# Altium PCB PCB3.PcbDoc (part 6 of 9) (continued)
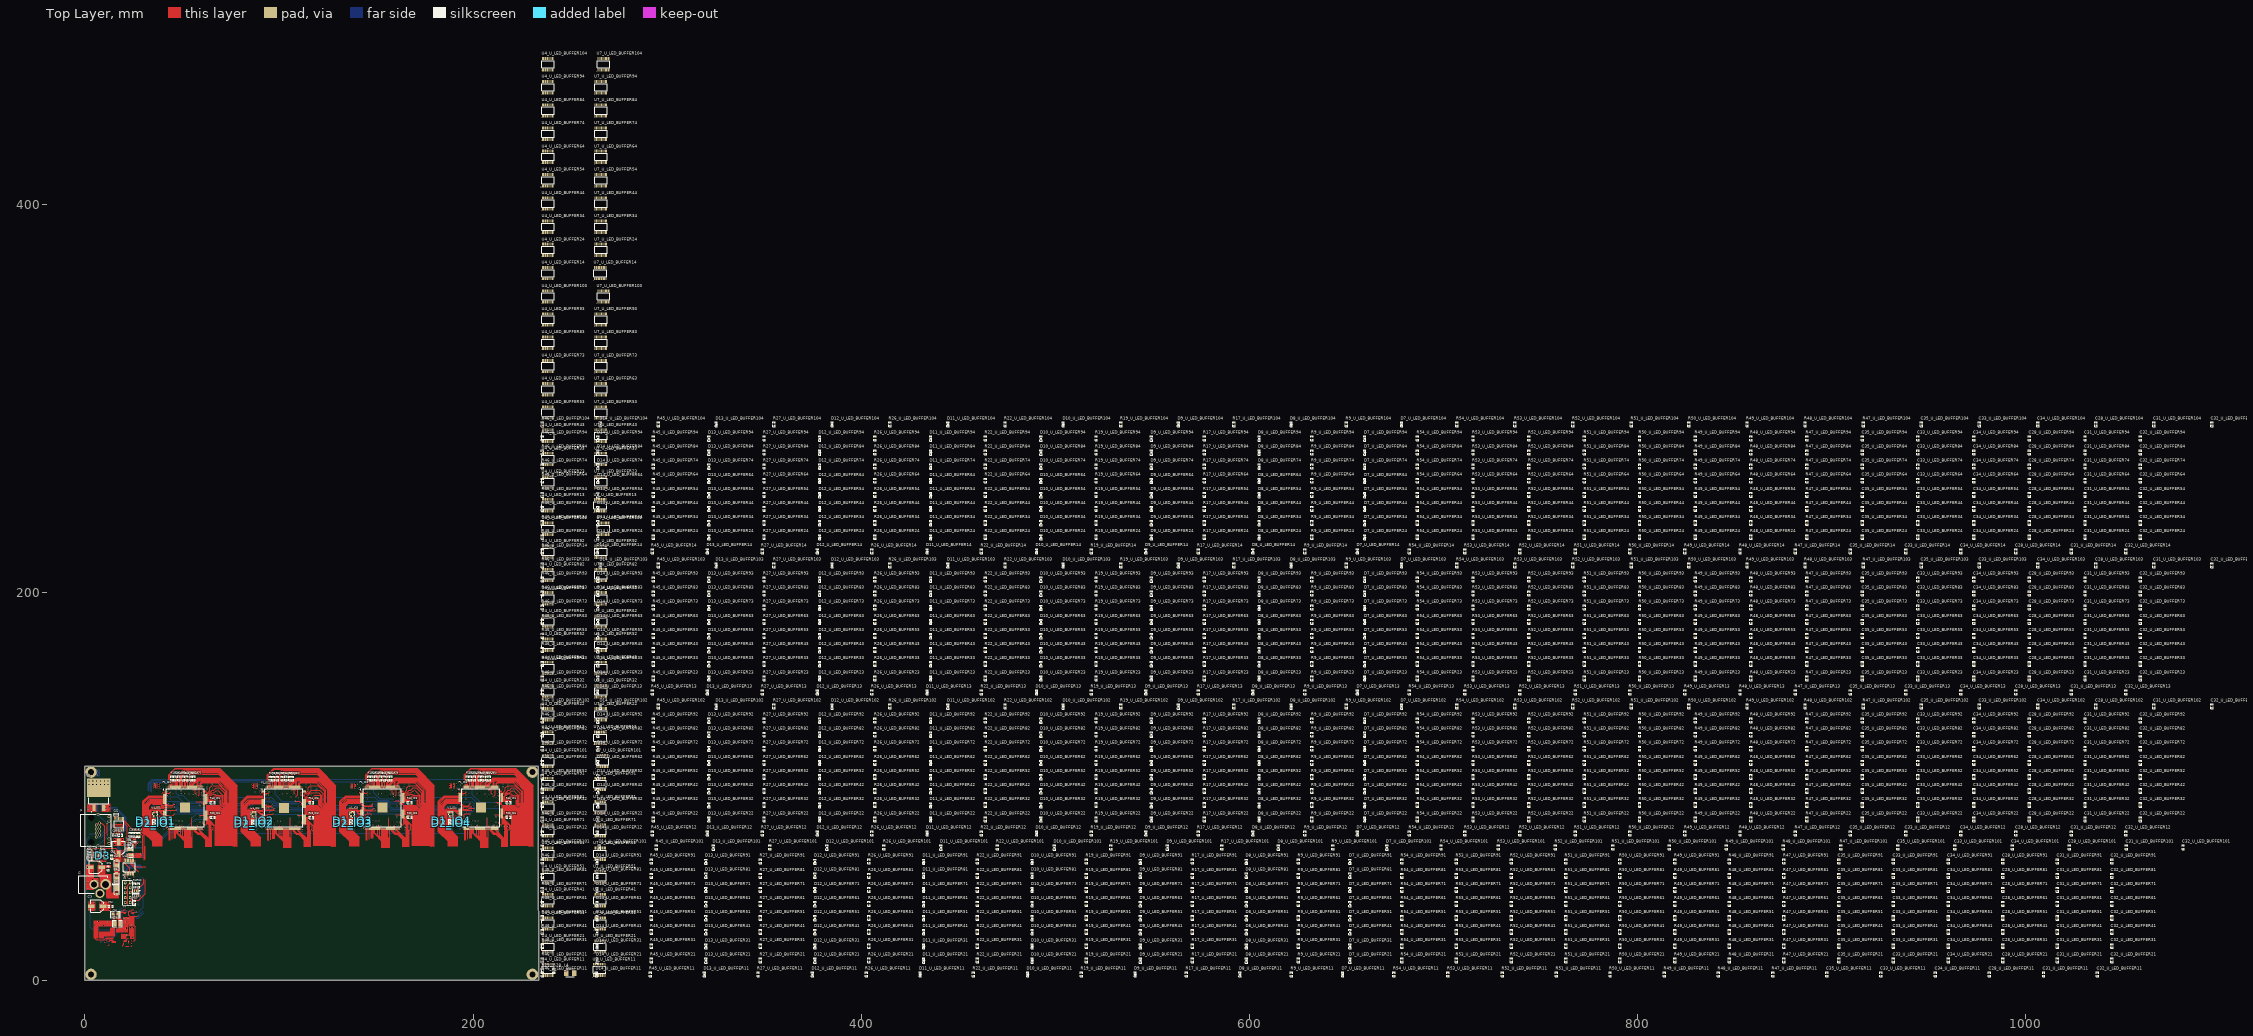
[diagram p0: Top Layer view]
## Nets (pads, with @x,y where several pads share a name; then routed paths per layer and width w, separated by ;. In a path a pad name is that pad's centre, name@x,y a point inside that pad or via, vN(x,y) a via of type N, cw(c..) or ccw(c..) an arc to the next point about the centre after c; other vN are vias at no path point) (continued)
  Top Layer w0.178: P1_IO3.76@163.969,81.791 164.95,81.791 166.305,80.435 166.305,73.483 166.305,69.036
GPIO_66_IO4: P1_IO4.76 R49_U_LED_BUFFER94.2 | length 14.3
  Top Layer w0.178: P1_IO4.76@214.845,81.795 215.826,81.795 217.182,80.439 217.182,73.487 217.182,69.04
GPIO_67_IO1: P1_IO1.70 R50_U_LED_BUFFER91.2 | length 11
  Top Layer w0.178: P1_IO1.70@59.432,78.281 59.432,77.277 63.689,73.02 63.689,69.014
GPIO_67_IO2: P1_IO2.70 R50_U_LED_BUFFER92.2 | length 11
  Top Layer w0.178: P1_IO2.70@110.26,78.215 110.26,77.211 114.517,72.954 114.517,68.948
GPIO_67_IO3: P1_IO3.70 R50_U_LED_BUFFER93.2 | length 11
  Top Layer w0.178: P1_IO3.70@160.981,78.303 160.981,77.299 165.239,73.041 165.239,69.036
GPIO_67_IO4: P1_IO4.70 R50_U_LED_BUFFER94.2 | length 11
  Top Layer w0.178: P1_IO4.70@211.857,78.307 211.857,77.302 216.115,73.045 216.115,69.04
GPIO_68_IO1: P1_IO1.74 R51_U_LED_BUFFER91.2 | length 13
  Top Layer w0.178: P1_IO1.74@62.42,80.769 63.323,80.769 64.045,80.047 64.045,73.167 64.045,69.014
GPIO_68_IO2: P1_IO2.74 R51_U_LED_BUFFER92.2 | length 13
  Top Layer w0.178: P1_IO2.74@113.248,80.703 114.151,80.703 114.873,79.981 114.873,73.101 114.873,68.948
GPIO_68_IO3: P1_IO3.74 R51_U_LED_BUFFER93.2 | length 13
  Top Layer w0.178: P1_IO3.74@163.969,80.791 164.872,80.791 165.594,80.068 165.594,73.188 165.594,69.036
GPIO_68_IO4: P1_IO4.74 R51_U_LED_BUFFER94.2 | length 13
  Top Layer w0.178: P1_IO4.74@214.845,80.795 215.748,80.795 216.47,80.072 216.47,73.192 216.47,69.04
GPIO_69_IO1: P1_IO1.75 R52_U_LED_BUFFER91.2 | length 13.6
  Top Layer w0.178: P1_IO1.75@62.42,81.269 62.481,81.208 63.387,81.208 64.401,80.194 64.401,73.314 64.401,69.014
GPIO_69_IO2: P1_IO2.75 R52_U_LED_BUFFER92.2 | length 13.6
  Top Layer w0.178: P1_IO2.75@113.248,81.203 113.309,81.142 114.215,81.142 115.229,80.128 115.229,73.248 115.229,68.948
GPIO_69_IO3: P1_IO3.75 R52_U_LED_BUFFER93.2 | length 13.6
  Top Layer w0.178: P1_IO3.75@163.969,81.291 164.03,81.23 164.936,81.23 165.95,80.216 165.95,73.336 165.95,69.036
GPIO_69_IO4: P1_IO4.75 R52_U_LED_BUFFER94.2 | length 13.6
  Top Layer w0.178: P1_IO4.75@214.845,81.295 214.907,81.233 215.812,81.233 216.826,80.219 216.826,73.34 216.826,69.04
GPIO_70_IO1: P1_IO1.81 R53_U_LED_BUFFER91.2 | length 20.6
  Top Layer w0.178: P1_IO1.81@62.42,84.269 64.03,84.269 64.697,84.936 67.23,84.936 67.457,84.71 67.457,69.488
GPIO_70_IO2: P1_IO2.81 R53_U_LED_BUFFER92.2 | length 20.6
  Top Layer w0.178: P1_IO2.81@113.248,84.203 114.858,84.203 115.525,84.87 118.058,84.87 118.285,84.644 118.285,69.422
GPIO_70_IO3: P1_IO3.81 R53_U_LED_BUFFER93.2 | length 20.6
  Top Layer w0.178: P1_IO3.81@163.969,84.291 165.579,84.291 166.247,84.958 168.78,84.958 169.006,84.732 169.006,69.51
GPIO_70_IO4: P1_IO4.81 R53_U_LED_BUFFER94.2 | length 20.6
  Top Layer w0.178: P1_IO4.81@214.845,84.295 216.456,84.295 217.123,84.962 219.656,84.962 219.882,84.735 219.882,69.513
GPIO_71_IO1: P1_IO1.77 R54_U_LED_BUFFER91.2 | length 14.9
  Top Layer w0.178: P1_IO1.77@62.42,82.269 63.403,82.269 65.112,80.561 65.112,73.609 65.112,69.014
GPIO_71_IO2: P1_IO2.77 R54_U_LED_BUFFER92.2 | length 14.9
  Top Layer w0.178: P1_IO2.77@113.248,82.203 114.231,82.203 115.94,80.495 115.94,73.543 115.94,68.948
GPIO_71_IO3: P1_IO3.77 R54_U_LED_BUFFER93.2 | length 14.9
  Top Layer w0.178: P1_IO3.77@163.969,82.291 164.953,82.291 166.661,80.582 166.661,73.63 166.661,69.036
GPIO_71_IO4: P1_IO4.77 R54_U_LED_BUFFER94.2 | length 14.9
  Top Layer w0.178: P1_IO4.77@214.845,82.295 215.829,82.295 217.537,80.586 217.537,73.634 217.537,69.04
GPIO_72_IO1: P1_IO1.78 R52_U_LED_BUFFER101.2 | length 16.3
  Top Layer w0.178: P1_IO1.78@62.42,82.769 63.424,82.769 66.255,79.939 66.255,78.091 65.467,77.304 65.467,69.014
GPIO_72_IO2: P1_IO2.78 R52_U_LED_BUFFER102.2 | length 16.3
  Top Layer w0.178: P1_IO2.78@113.248,82.703 114.252,82.703 117.168,79.787 117.168,78.11 116.295,77.238 116.295,68.948
GPIO_72_IO3: P1_IO3.78 R52_U_LED_BUFFER103.2 | length 16.3
  Top Layer w0.178: P1_IO3.78@163.969,82.791 164.973,82.791 167.804,79.96 167.804,78.113 167.017,77.325 167.017,69.036
GPIO_72_IO4: P1_IO4.78 R52_U_LED_BUFFER104.2 | length 16.4
  Top Layer w0.178: P1_IO4.78@214.845,82.795 215.85,82.795 218.883,79.761 218.883,78.319 217.893,77.329 217.893,69.04
GPIO_73_IO1: P1_IO1.79 R53_U_LED_BUFFER101.2 | length 16.3
  Top Layer w0.178: P1_IO1.79@62.42,83.269 63.427,83.269 67.101,79.595 67.101,69.488
GPIO_73_IO2: P1_IO2.79 R53_U_LED_BUFFER102.2 | length 16.3
  Top Layer w0.178: P1_IO2.79@113.248,83.203 114.255,83.203 117.929,79.529 117.929,69.422
GPIO_73_IO3: P1_IO3.79 R53_U_LED_BUFFER103.2 | length 16.3
  Top Layer w0.178: P1_IO3.79@163.969,83.291 164.976,83.291 168.65,79.617 168.65,69.51
GPIO_73_IO4: P1_IO4.79 R53_U_LED_BUFFER104.2 | length 16.3
  Top Layer w0.178: P1_IO4.79@214.845,83.295 215.853,83.295 219.527,79.621 219.527,69.513
GPIO_74_IO1: P1_IO1.84 R54_U_LED_BUFFER101.2 | length 21.4
  Top Layer w0.178: P1_IO1.84@62.42,85.769 67.315,85.769 67.844,85.24 67.844,69.488
GPIO_74_IO2: P1_IO2.84 R54_U_LED_BUFFER102.2 | length 21.4
  Top Layer w0.178: P1_IO2.84@113.248,85.703 118.143,85.703 118.672,85.174 118.672,69.422
GPIO_74_IO3: P1_IO3.84 R54_U_LED_BUFFER103.2 | length 21.4
  Top Layer w0.178: P1_IO3.84@163.969,85.791 168.864,85.791 169.393,85.262 169.393,69.51
GPIO_74_IO4: P1_IO4.84 R54_U_LED_BUFFER104.2 | length 21.4
  Top Layer w0.178: P1_IO4.84@214.845,85.795 219.741,85.795 220.269,85.266 220.269,69.513
ID0_IO1: P1_IO1.112 R24.1 | length 5.4
  Top Layer w0.254: v1(57.893,94.738) 58.932,95.777 P1_IO1.112@58.932,99.757
ID0_IO2: P1_IO2.112 R30.2 | length 5.4
  Top Layer w0.254: v1(108.721,94.672) 109.76,95.711 P1_IO2.112@109.76,99.691
ID0_IO3: P1_IO3.112 R32.1 | length 5.4
  Top Layer w0.254: v1(159.442,94.76) 160.481,95.799 P1_IO3.112@160.481,99.779
ID0_IO4: P1_IO4.112 R34.2 | length 5.4
  Top Layer w0.254: v1(210.319,94.764) 211.357,95.802 P1_IO4.112@211.357,99.783
ID1_IO1: P1_IO1.123 R23.1 | length 1.2
  Top Layer w0.254: v1(53.432,98.514) P1_IO1.123@53.432,99.757
ID1_IO2: P1_IO2.123 R25.1 | length 1.2
  Top Layer w0.254: v1(104.26,98.448) P1_IO2.123@104.26,99.691
ID1_IO3: P1_IO3.123 R31.2 | length 1.2
  Top Layer w0.254: v1(154.981,98.536) P1_IO3.123@154.981,99.779
ID1_IO4: P1_IO4.123 R33.2 | length 1.2
  Top Layer w0.254: v1(205.857,98.539) P1_IO4.123@205.857,99.783
IN1_U_LED_BUFFER101: R47_U_LED_BUFFER101.2
IN1_U_LED_BUFFER102: R47_U_LED_BUFFER102.2
IN1_U_LED_BUFFER103: R47_U_LED_BUFFER103.2
IN1_U_LED_BUFFER104: R47_U_LED_BUFFER104.2
IN2_U_LED_BUFFER101: R48_U_LED_BUFFER101.2
IN2_U_LED_BUFFER102: R48_U_LED_BUFFER102.2
IN2_U_LED_BUFFER103: R48_U_LED_BUFFER103.2
IN2_U_LED_BUFFER104: R48_U_LED_BUFFER104.2
IN3_U_LED_BUFFER101: R49_U_LED_BUFFER101.2
IN3_U_LED_BUFFER102: R49_U_LED_BUFFER102.2
IN3_U_LED_BUFFER103: R49_U_LED_BUFFER103.2
IN3_U_LED_BUFFER104: R49_U_LED_BUFFER104.2
IN4_U_LED_BUFFER101: R50_U_LED_BUFFER101.2
IN4_U_LED_BUFFER102: R50_U_LED_BUFFER102.2
IN4_U_LED_BUFFER103: R50_U_LED_BUFFER103.2
IN4_U_LED_BUFFER104: R50_U_LED_BUFFER104.2
IN5_U_LED_BUFFER101: R51_U_LED_BUFFER101.2
IN5_U_LED_BUFFER102: R51_U_LED_BUFFER102.2
IN5_U_LED_BUFFER103: R51_U_LED_BUFFER103.2
IN5_U_LED_BUFFER104: R51_U_LED_BUFFER104.2
L_OUT1_U_LED_BUFFER11: R9_U_LED_BUFFER11.2 U7_U_LED_BUFFER11.18
L_OUT1_U_LED_BUFFER12: R9_U_LED_BUFFER12.2 U7_U_LED_BUFFER12.18
L_OUT1_U_LED_BUFFER13: R9_U_LED_BUFFER13.2 U7_U_LED_BUFFER13.18
L_OUT1_U_LED_BUFFER14: R9_U_LED_BUFFER14.2 U7_U_LED_BUFFER14.18
L_OUT1_U_LED_BUFFER21: R9_U_LED_BUFFER21.2 U7_U_LED_BUFFER21.18
L_OUT1_U_LED_BUFFER22: R9_U_LED_BUFFER22.2 U7_U_LED_BUFFER22.18
L_OUT1_U_LED_BUFFER23: R9_U_LED_BUFFER23.2 U7_U_LED_BUFFER23.18
L_OUT1_U_LED_BUFFER24: R9_U_LED_BUFFER24.2 U7_U_LED_BUFFER24.18
L_OUT1_U_LED_BUFFER31: R9_U_LED_BUFFER31.2 U7_U_LED_BUFFER31.18
L_OUT1_U_LED_BUFFER32: R9_U_LED_BUFFER32.2 U7_U_LED_BUFFER32.18
L_OUT1_U_LED_BUFFER33: R9_U_LED_BUFFER33.2 U7_U_LED_BUFFER33.18
L_OUT1_U_LED_BUFFER34: R9_U_LED_BUFFER34.2 U7_U_LED_BUFFER34.18
L_OUT1_U_LED_BUFFER41: R9_U_LED_BUFFER41.2 U7_U_LED_BUFFER41.18
L_OUT1_U_LED_BUFFER42: R9_U_LED_BUFFER42.2 U7_U_LED_BUFFER42.18
L_OUT1_U_LED_BUFFER43: R9_U_LED_BUFFER43.2 U7_U_LED_BUFFER43.18
L_OUT1_U_LED_BUFFER44: R9_U_LED_BUFFER44.2 U7_U_LED_BUFFER44.18
L_OUT1_U_LED_BUFFER51: R9_U_LED_BUFFER51.2 U7_U_LED_BUFFER51.18
L_OUT1_U_LED_BUFFER52: R9_U_LED_BUFFER52.2 U7_U_LED_BUFFER52.18
L_OUT1_U_LED_BUFFER53: R9_U_LED_BUFFER53.2 U7_U_LED_BUFFER53.18
L_OUT1_U_LED_BUFFER54: R9_U_LED_BUFFER54.2 U7_U_LED_BUFFER54.18
L_OUT1_U_LED_BUFFER61: R9_U_LED_BUFFER61.2 U7_U_LED_BUFFER61.18
L_OUT1_U_LED_BUFFER62: R9_U_LED_BUFFER62.2 U7_U_LED_BUFFER62.18
L_OUT1_U_LED_BUFFER63: R9_U_LED_BUFFER63.2 U7_U_LED_BUFFER63.18
L_OUT1_U_LED_BUFFER64: R9_U_LED_BUFFER64.2 U7_U_LED_BUFFER64.18
L_OUT1_U_LED_BUFFER71: R9_U_LED_BUFFER71.2 U7_U_LED_BUFFER71.18
L_OUT1_U_LED_BUFFER72: R9_U_LED_BUFFER72.2 U7_U_LED_BUFFER72.18
L_OUT1_U_LED_BUFFER73: R9_U_LED_BUFFER73.2 U7_U_LED_BUFFER73.18
L_OUT1_U_LED_BUFFER74: R9_U_LED_BUFFER74.2 U7_U_LED_BUFFER74.18
L_OUT1_U_LED_BUFFER81: R9_U_LED_BUFFER81.2 U7_U_LED_BUFFER81.18
L_OUT1_U_LED_BUFFER82: R9_U_LED_BUFFER82.2 U7_U_LED_BUFFER82.18
L_OUT1_U_LED_BUFFER83: R9_U_LED_BUFFER83.2 U7_U_LED_BUFFER83.18
L_OUT1_U_LED_BUFFER84: R9_U_LED_BUFFER84.2 U7_U_LED_BUFFER84.18
L_OUT1_U_LED_BUFFER91: R9_U_LED_BUFFER91.2 U7_U_LED_BUFFER91.18
L_OUT1_U_LED_BUFFER92: R9_U_LED_BUFFER92.2 U7_U_LED_BUFFER92.18
L_OUT1_U_LED_BUFFER93: R9_U_LED_BUFFER93.2 U7_U_LED_BUFFER93.18
L_OUT1_U_LED_BUFFER94: R9_U_LED_BUFFER94.2 U7_U_LED_BUFFER94.18
L_OUT1_U_LED_BUFFER101: R9_U_LED_BUFFER101.2 U7_U_LED_BUFFER101.18
L_OUT1_U_LED_BUFFER102: R9_U_LED_BUFFER102.2 U7_U_LED_BUFFER102.18
L_OUT1_U_LED_BUFFER103: R9_U_LED_BUFFER103.2 U7_U_LED_BUFFER103.18
L_OUT1_U_LED_BUFFER104: R9_U_LED_BUFFER104.2 U7_U_LED_BUFFER104.18
L_OUT2_U_LED_BUFFER11: R17_U_LED_BUFFER11.2 U7_U_LED_BUFFER11.17
L_OUT2_U_LED_BUFFER12: R17_U_LED_BUFFER12.2 U7_U_LED_BUFFER12.17
L_OUT2_U_LED_BUFFER13: R17_U_LED_BUFFER13.2 U7_U_LED_BUFFER13.17
L_OUT2_U_LED_BUFFER14: R17_U_LED_BUFFER14.2 U7_U_LED_BUFFER14.17
L_OUT2_U_LED_BUFFER21: R17_U_LED_BUFFER21.2 U7_U_LED_BUFFER21.17
L_OUT2_U_LED_BUFFER22: R17_U_LED_BUFFER22.2 U7_U_LED_BUFFER22.17
L_OUT2_U_LED_BUFFER23: R17_U_LED_BUFFER23.2 U7_U_LED_BUFFER23.17
L_OUT2_U_LED_BUFFER24: R17_U_LED_BUFFER24.2 U7_U_LED_BUFFER24.17
L_OUT2_U_LED_BUFFER31: R17_U_LED_BUFFER31.2 U7_U_LED_BUFFER31.17
L_OUT2_U_LED_BUFFER32: R17_U_LED_BUFFER32.2 U7_U_LED_BUFFER32.17
L_OUT2_U_LED_BUFFER33: R17_U_LED_BUFFER33.2 U7_U_LED_BUFFER33.17
L_OUT2_U_LED_BUFFER34: R17_U_LED_BUFFER34.2 U7_U_LED_BUFFER34.17
L_OUT2_U_LED_BUFFER41: R17_U_LED_BUFFER41.2 U7_U_LED_BUFFER41.17
L_OUT2_U_LED_BUFFER42: R17_U_LED_BUFFER42.2 U7_U_LED_BUFFER42.17
L_OUT2_U_LED_BUFFER43: R17_U_LED_BUFFER43.2 U7_U_LED_BUFFER43.17
L_OUT2_U_LED_BUFFER44: R17_U_LED_BUFFER44.2 U7_U_LED_BUFFER44.17
L_OUT2_U_LED_BUFFER51: R17_U_LED_BUFFER51.2 U7_U_LED_BUFFER51.17
L_OUT2_U_LED_BUFFER52: R17_U_LED_BUFFER52.2 U7_U_LED_BUFFER52.17
L_OUT2_U_LED_BUFFER53: R17_U_LED_BUFFER53.2 U7_U_LED_BUFFER53.17
L_OUT2_U_LED_BUFFER54: R17_U_LED_BUFFER54.2 U7_U_LED_BUFFER54.17
L_OUT2_U_LED_BUFFER61: R17_U_LED_BUFFER61.2 U7_U_LED_BUFFER61.17
L_OUT2_U_LED_BUFFER62: R17_U_LED_BUFFER62.2 U7_U_LED_BUFFER62.17
L_OUT2_U_LED_BUFFER63: R17_U_LED_BUFFER63.2 U7_U_LED_BUFFER63.17
L_OUT2_U_LED_BUFFER64: R17_U_LED_BUFFER64.2 U7_U_LED_BUFFER64.17
L_OUT2_U_LED_BUFFER71: R17_U_LED_BUFFER71.2 U7_U_LED_BUFFER71.17
L_OUT2_U_LED_BUFFER72: R17_U_LED_BUFFER72.2 U7_U_LED_BUFFER72.17
L_OUT2_U_LED_BUFFER73: R17_U_LED_BUFFER73.2 U7_U_LED_BUFFER73.17
L_OUT2_U_LED_BUFFER74: R17_U_LED_BUFFER74.2 U7_U_LED_BUFFER74.17
L_OUT2_U_LED_BUFFER81: R17_U_LED_BUFFER81.2 U7_U_LED_BUFFER81.17
L_OUT2_U_LED_BUFFER82: R17_U_LED_BUFFER82.2 U7_U_LED_BUFFER82.17
L_OUT2_U_LED_BUFFER83: R17_U_LED_BUFFER83.2 U7_U_LED_BUFFER83.17
L_OUT2_U_LED_BUFFER84: R17_U_LED_BUFFER84.2 U7_U_LED_BUFFER84.17
L_OUT2_U_LED_BUFFER91: R17_U_LED_BUFFER91.2 U7_U_LED_BUFFER91.17
L_OUT2_U_LED_BUFFER92: R17_U_LED_BUFFER92.2 U7_U_LED_BUFFER92.17
L_OUT2_U_LED_BUFFER93: R17_U_LED_BUFFER93.2 U7_U_LED_BUFFER93.17
L_OUT2_U_LED_BUFFER94: R17_U_LED_BUFFER94.2 U7_U_LED_BUFFER94.17
L_OUT2_U_LED_BUFFER101: R17_U_LED_BUFFER101.2 U7_U_LED_BUFFER101.17
L_OUT2_U_LED_BUFFER102: R17_U_LED_BUFFER102.2 U7_U_LED_BUFFER102.17
L_OUT2_U_LED_BUFFER103: R17_U_LED_BUFFER103.2 U7_U_LED_BUFFER103.17
L_OUT2_U_LED_BUFFER104: R17_U_LED_BUFFER104.2 U7_U_LED_BUFFER104.17
L_OUT3_U_LED_BUFFER11: R19_U_LED_BUFFER11.2 U7_U_LED_BUFFER11.16
L_OUT3_U_LED_BUFFER12: R19_U_LED_BUFFER12.2 U7_U_LED_BUFFER12.16
L_OUT3_U_LED_BUFFER13: R19_U_LED_BUFFER13.2 U7_U_LED_BUFFER13.16
L_OUT3_U_LED_BUFFER14: R19_U_LED_BUFFER14.2 U7_U_LED_BUFFER14.16
L_OUT3_U_LED_BUFFER21: R19_U_LED_BUFFER21.2 U7_U_LED_BUFFER21.16
L_OUT3_U_LED_BUFFER22: R19_U_LED_BUFFER22.2 U7_U_LED_BUFFER22.16
L_OUT3_U_LED_BUFFER23: R19_U_LED_BUFFER23.2 U7_U_LED_BUFFER23.16
L_OUT3_U_LED_BUFFER24: R19_U_LED_BUFFER24.2 U7_U_LED_BUFFER24.16
L_OUT3_U_LED_BUFFER31: R19_U_LED_BUFFER31.2 U7_U_LED_BUFFER31.16
L_OUT3_U_LED_BUFFER32: R19_U_LED_BUFFER32.2 U7_U_LED_BUFFER32.16
L_OUT3_U_LED_BUFFER33: R19_U_LED_BUFFER33.2 U7_U_LED_BUFFER33.16
L_OUT3_U_LED_BUFFER34: R19_U_LED_BUFFER34.2 U7_U_LED_BUFFER34.16
L_OUT3_U_LED_BUFFER41: R19_U_LED_BUFFER41.2 U7_U_LED_BUFFER41.16
L_OUT3_U_LED_BUFFER42: R19_U_LED_BUFFER42.2 U7_U_LED_BUFFER42.16
L_OUT3_U_LED_BUFFER43: R19_U_LED_BUFFER43.2 U7_U_LED_BUFFER43.16
L_OUT3_U_LED_BUFFER44: R19_U_LED_BUFFER44.2 U7_U_LED_BUFFER44.16
L_OUT3_U_LED_BUFFER51: R19_U_LED_BUFFER51.2 U7_U_LED_BUFFER51.16
L_OUT3_U_LED_BUFFER52: R19_U_LED_BUFFER52.2 U7_U_LED_BUFFER52.16
L_OUT3_U_LED_BUFFER53: R19_U_LED_BUFFER53.2 U7_U_LED_BUFFER53.16
L_OUT3_U_LED_BUFFER54: R19_U_LED_BUFFER54.2 U7_U_LED_BUFFER54.16
L_OUT3_U_LED_BUFFER61: R19_U_LED_BUFFER61.2 U7_U_LED_BUFFER61.16
L_OUT3_U_LED_BUFFER62: R19_U_LED_BUFFER62.2 U7_U_LED_BUFFER62.16
L_OUT3_U_LED_BUFFER63: R19_U_LED_BUFFER63.2 U7_U_LED_BUFFER63.16
L_OUT3_U_LED_BUFFER64: R19_U_LED_BUFFER64.2 U7_U_LED_BUFFER64.16
L_OUT3_U_LED_BUFFER71: R19_U_LED_BUFFER71.2 U7_U_LED_BUFFER71.16
L_OUT3_U_LED_BUFFER72: R19_U_LED_BUFFER72.2 U7_U_LED_BUFFER72.16
L_OUT3_U_LED_BUFFER73: R19_U_LED_BUFFER73.2 U7_U_LED_BUFFER73.16
L_OUT3_U_LED_BUFFER74: R19_U_LED_BUFFER74.2 U7_U_LED_BUFFER74.16
L_OUT3_U_LED_BUFFER81: R19_U_LED_BUFFER81.2 U7_U_LED_BUFFER81.16
L_OUT3_U_LED_BUFFER82: R19_U_LED_BUFFER82.2 U7_U_LED_BUFFER82.16
L_OUT3_U_LED_BUFFER83: R19_U_LED_BUFFER83.2 U7_U_LED_BUFFER83.16
L_OUT3_U_LED_BUFFER84: R19_U_LED_BUFFER84.2 U7_U_LED_BUFFER84.16
L_OUT3_U_LED_BUFFER91: R19_U_LED_BUFFER91.2 U7_U_LED_BUFFER91.16
L_OUT3_U_LED_BUFFER92: R19_U_LED_BUFFER92.2 U7_U_LED_BUFFER92.16
L_OUT3_U_LED_BUFFER93: R19_U_LED_BUFFER93.2 U7_U_LED_BUFFER93.16
L_OUT3_U_LED_BUFFER94: R19_U_LED_BUFFER94.2 U7_U_LED_BUFFER94.16
L_OUT3_U_LED_BUFFER101: R19_U_LED_BUFFER101.2 U7_U_LED_BUFFER101.16
L_OUT3_U_LED_BUFFER102: R19_U_LED_BUFFER102.2 U7_U_LED_BUFFER102.16
L_OUT3_U_LED_BUFFER103: R19_U_LED_BUFFER103.2 U7_U_LED_BUFFER103.16
L_OUT3_U_LED_BUFFER104: R19_U_LED_BUFFER104.2 U7_U_LED_BUFFER104.16
L_OUT4_U_LED_BUFFER11: R22_U_LED_BUFFER11.2 U7_U_LED_BUFFER11.15
L_OUT4_U_LED_BUFFER12: R22_U_LED_BUFFER12.2 U7_U_LED_BUFFER12.15
L_OUT4_U_LED_BUFFER13: R22_U_LED_BUFFER13.2 U7_U_LED_BUFFER13.15
L_OUT4_U_LED_BUFFER14: R22_U_LED_BUFFER14.2 U7_U_LED_BUFFER14.15
L_OUT4_U_LED_BUFFER21: R22_U_LED_BUFFER21.2 U7_U_LED_BUFFER21.15
L_OUT4_U_LED_BUFFER22: R22_U_LED_BUFFER22.2 U7_U_LED_BUFFER22.15
L_OUT4_U_LED_BUFFER23: R22_U_LED_BUFFER23.2 U7_U_LED_BUFFER23.15
L_OUT4_U_LED_BUFFER24: R22_U_LED_BUFFER24.2 U7_U_LED_BUFFER24.15
L_OUT4_U_LED_BUFFER31: R22_U_LED_BUFFER31.2 U7_U_LED_BUFFER31.15
L_OUT4_U_LED_BUFFER32: R22_U_LED_BUFFER32.2 U7_U_LED_BUFFER32.15
L_OUT4_U_LED_BUFFER33: R22_U_LED_BUFFER33.2 U7_U_LED_BUFFER33.15
L_OUT4_U_LED_BUFFER34: R22_U_LED_BUFFER34.2 U7_U_LED_BUFFER34.15
L_OUT4_U_LED_BUFFER41: R22_U_LED_BUFFER41.2 U7_U_LED_BUFFER41.15
L_OUT4_U_LED_BUFFER42: R22_U_LED_BUFFER42.2 U7_U_LED_BUFFER42.15
L_OUT4_U_LED_BUFFER43: R22_U_LED_BUFFER43.2 U7_U_LED_BUFFER43.15
L_OUT4_U_LED_BUFFER44: R22_U_LED_BUFFER44.2 U7_U_LED_BUFFER44.15
L_OUT4_U_LED_BUFFER51: R22_U_LED_BUFFER51.2 U7_U_LED_BUFFER51.15
L_OUT4_U_LED_BUFFER52: R22_U_LED_BUFFER52.2 U7_U_LED_BUFFER52.15
L_OUT4_U_LED_BUFFER53: R22_U_LED_BUFFER53.2 U7_U_LED_BUFFER53.15
L_OUT4_U_LED_BUFFER54: R22_U_LED_BUFFER54.2 U7_U_LED_BUFFER54.15
L_OUT4_U_LED_BUFFER61: R22_U_LED_BUFFER61.2 U7_U_LED_BUFFER61.15
L_OUT4_U_LED_BUFFER62: R22_U_LED_BUFFER62.2 U7_U_LED_BUFFER62.15
L_OUT4_U_LED_BUFFER63: R22_U_LED_BUFFER63.2 U7_U_LED_BUFFER63.15
L_OUT4_U_LED_BUFFER64: R22_U_LED_BUFFER64.2 U7_U_LED_BUFFER64.15
L_OUT4_U_LED_BUFFER71: R22_U_LED_BUFFER71.2 U7_U_LED_BUFFER71.15
L_OUT4_U_LED_BUFFER72: R22_U_LED_BUFFER72.2 U7_U_LED_BUFFER72.15
L_OUT4_U_LED_BUFFER73: R22_U_LED_BUFFER73.2 U7_U_LED_BUFFER73.15
L_OUT4_U_LED_BUFFER74: R22_U_LED_BUFFER74.2 U7_U_LED_BUFFER74.15
L_OUT4_U_LED_BUFFER81: R22_U_LED_BUFFER81.2 U7_U_LED_BUFFER81.15
L_OUT4_U_LED_BUFFER82: R22_U_LED_BUFFER82.2 U7_U_LED_BUFFER82.15
L_OUT4_U_LED_BUFFER83: R22_U_LED_BUFFER83.2 U7_U_LED_BUFFER83.15
L_OUT4_U_LED_BUFFER84: R22_U_LED_BUFFER84.2 U7_U_LED_BUFFER84.15
L_OUT4_U_LED_BUFFER91: R22_U_LED_BUFFER91.2 U7_U_LED_BUFFER91.15
L_OUT4_U_LED_BUFFER92: R22_U_LED_BUFFER92.2 U7_U_LED_BUFFER92.15
L_OUT4_U_LED_BUFFER93: R22_U_LED_BUFFER93.2 U7_U_LED_BUFFER93.15
L_OUT4_U_LED_BUFFER94: R22_U_LED_BUFFER94.2 U7_U_LED_BUFFER94.15
L_OUT4_U_LED_BUFFER101: R22_U_LED_BUFFER101.2 U7_U_LED_BUFFER101.15
L_OUT4_U_LED_BUFFER102: R22_U_LED_BUFFER102.2 U7_U_LED_BUFFER102.15
L_OUT4_U_LED_BUFFER103: R22_U_LED_BUFFER103.2 U7_U_LED_BUFFER103.15
L_OUT4_U_LED_BUFFER104: R22_U_LED_BUFFER104.2 U7_U_LED_BUFFER104.15
L_OUT5_U_LED_BUFFER11: R26_U_LED_BUFFER11.2 U7_U_LED_BUFFER11.14
L_OUT5_U_LED_BUFFER12: R26_U_LED_BUFFER12.2 U7_U_LED_BUFFER12.14
L_OUT5_U_LED_BUFFER13: R26_U_LED_BUFFER13.2 U7_U_LED_BUFFER13.14
L_OUT5_U_LED_BUFFER14: R26_U_LED_BUFFER14.2 U7_U_LED_BUFFER14.14
L_OUT5_U_LED_BUFFER21: R26_U_LED_BUFFER21.2 U7_U_LED_BUFFER21.14
L_OUT5_U_LED_BUFFER22: R26_U_LED_BUFFER22.2 U7_U_LED_BUFFER22.14
L_OUT5_U_LED_BUFFER23: R26_U_LED_BUFFER23.2 U7_U_LED_BUFFER23.14
L_OUT5_U_LED_BUFFER24: R26_U_LED_BUFFER24.2 U7_U_LED_BUFFER24.14
L_OUT5_U_LED_BUFFER31: R26_U_LED_BUFFER31.2 U7_U_LED_BUFFER31.14
L_OUT5_U_LED_BUFFER32: R26_U_LED_BUFFER32.2 U7_U_LED_BUFFER32.14
L_OUT5_U_LED_BUFFER33: R26_U_LED_BUFFER33.2 U7_U_LED_BUFFER33.14
L_OUT5_U_LED_BUFFER34: R26_U_LED_BUFFER34.2 U7_U_LED_BUFFER34.14
L_OUT5_U_LED_BUFFER41: R26_U_LED_BUFFER41.2 U7_U_LED_BUFFER41.14
L_OUT5_U_LED_BUFFER42: R26_U_LED_BUFFER42.2 U7_U_LED_BUFFER42.14
L_OUT5_U_LED_BUFFER43: R26_U_LED_BUFFER43.2 U7_U_LED_BUFFER43.14
L_OUT5_U_LED_BUFFER44: R26_U_LED_BUFFER44.2 U7_U_LED_BUFFER44.14
L_OUT5_U_LED_BUFFER51: R26_U_LED_BUFFER51.2 U7_U_LED_BUFFER51.14
L_OUT5_U_LED_BUFFER52: R26_U_LED_BUFFER52.2 U7_U_LED_BUFFER52.14
L_OUT5_U_LED_BUFFER53: R26_U_LED_BUFFER53.2 U7_U_LED_BUFFER53.14
L_OUT5_U_LED_BUFFER54: R26_U_LED_BUFFER54.2 U7_U_LED_BUFFER54.14
L_OUT5_U_LED_BUFFER61: R26_U_LED_BUFFER61.2 U7_U_LED_BUFFER61.14
L_OUT5_U_LED_BUFFER62: R26_U_LED_BUFFER62.2 U7_U_LED_BUFFER62.14
L_OUT5_U_LED_BUFFER63: R26_U_LED_BUFFER63.2 U7_U_LED_BUFFER63.14
L_OUT5_U_LED_BUFFER64: R26_U_LED_BUFFER64.2 U7_U_LED_BUFFER64.14
L_OUT5_U_LED_BUFFER71: R26_U_LED_BUFFER71.2 U7_U_LED_BUFFER71.14
L_OUT5_U_LED_BUFFER72: R26_U_LED_BUFFER72.2 U7_U_LED_BUFFER72.14
L_OUT5_U_LED_BUFFER73: R26_U_LED_BUFFER73.2 U7_U_LED_BUFFER73.14
L_OUT5_U_LED_BUFFER74: R26_U_LED_BUFFER74.2 U7_U_LED_BUFFER74.14
L_OUT5_U_LED_BUFFER81: R26_U_LED_BUFFER81.2 U7_U_LED_BUFFER81.14
L_OUT5_U_LED_BUFFER82: R26_U_LED_BUFFER82.2 U7_U_LED_BUFFER82.14
L_OUT5_U_LED_BUFFER83: R26_U_LED_BUFFER83.2 U7_U_LED_BUFFER83.14
L_OUT5_U_LED_BUFFER84: R26_U_LED_BUFFER84.2 U7_U_LED_BUFFER84.14
L_OUT5_U_LED_BUFFER91: R26_U_LED_BUFFER91.2 U7_U_LED_BUFFER91.14
L_OUT5_U_LED_BUFFER92: R26_U_LED_BUFFER92.2 U7_U_LED_BUFFER92.14
L_OUT5_U_LED_BUFFER93: R26_U_LED_BUFFER93.2 U7_U_LED_BUFFER93.14
L_OUT5_U_LED_BUFFER94: R26_U_LED_BUFFER94.2 U7_U_LED_BUFFER94.14
L_OUT5_U_LED_BUFFER101: R26_U_LED_BUFFER101.2 U7_U_LED_BUFFER101.14
L_OUT5_U_LED_BUFFER102: R26_U_LED_BUFFER102.2 U7_U_LED_BUFFER102.14
L_OUT5_U_LED_BUFFER103: R26_U_LED_BUFFER103.2 U7_U_LED_BUFFER103.14
L_OUT5_U_LED_BUFFER104: R26_U_LED_BUFFER104.2 U7_U_LED_BUFFER104.14
L_OUT6_U_LED_BUFFER11: R27_U_LED_BUFFER11.2 U7_U_LED_BUFFER11.13
L_OUT6_U_LED_BUFFER12: R27_U_LED_BUFFER12.2 U7_U_LED_BUFFER12.13
L_OUT6_U_LED_BUFFER13: R27_U_LED_BUFFER13.2 U7_U_LED_BUFFER13.13
L_OUT6_U_LED_BUFFER14: R27_U_LED_BUFFER14.2 U7_U_LED_BUFFER14.13
L_OUT6_U_LED_BUFFER21: R27_U_LED_BUFFER21.2 U7_U_LED_BUFFER21.13
L_OUT6_U_LED_BUFFER22: R27_U_LED_BUFFER22.2 U7_U_LED_BUFFER22.13
L_OUT6_U_LED_BUFFER23: R27_U_LED_BUFFER23.2 U7_U_LED_BUFFER23.13
L_OUT6_U_LED_BUFFER24: R27_U_LED_BUFFER24.2 U7_U_LED_BUFFER24.13
L_OUT6_U_LED_BUFFER31: R27_U_LED_BUFFER31.2 U7_U_LED_BUFFER31.13
L_OUT6_U_LED_BUFFER32: R27_U_LED_BUFFER32.2 U7_U_LED_BUFFER32.13
L_OUT6_U_LED_BUFFER33: R27_U_LED_BUFFER33.2 U7_U_LED_BUFFER33.13
L_OUT6_U_LED_BUFFER34: R27_U_LED_BUFFER34.2 U7_U_LED_BUFFER34.13
L_OUT6_U_LED_BUFFER41: R27_U_LED_BUFFER41.2 U7_U_LED_BUFFER41.13
L_OUT6_U_LED_BUFFER42: R27_U_LED_BUFFER42.2 U7_U_LED_BUFFER42.13
L_OUT6_U_LED_BUFFER43: R27_U_LED_BUFFER43.2 U7_U_LED_BUFFER43.13
L_OUT6_U_LED_BUFFER44: R27_U_LED_BUFFER44.2 U7_U_LED_BUFFER44.13
L_OUT6_U_LED_BUFFER51: R27_U_LED_BUFFER51.2 U7_U_LED_BUFFER51.13
L_OUT6_U_LED_BUFFER52: R27_U_LED_BUFFER52.2 U7_U_LED_BUFFER52.13
L_OUT6_U_LED_BUFFER53: R27_U_LED_BUFFER53.2 U7_U_LED_BUFFER53.13
L_OUT6_U_LED_BUFFER54: R27_U_LED_BUFFER54.2 U7_U_LED_BUFFER54.13
L_OUT6_U_LED_BUFFER61: R27_U_LED_BUFFER61.2 U7_U_LED_BUFFER61.13
L_OUT6_U_LED_BUFFER62: R27_U_LED_BUFFER62.2 U7_U_LED_BUFFER62.13
L_OUT6_U_LED_BUFFER63: R27_U_LED_BUFFER63.2 U7_U_LED_BUFFER63.13
L_OUT6_U_LED_BUFFER64: R27_U_LED_BUFFER64.2 U7_U_LED_BUFFER64.13
L_OUT6_U_LED_BUFFER71: R27_U_LED_BUFFER71.2 U7_U_LED_BUFFER71.13
L_OUT6_U_LED_BUFFER72: R27_U_LED_BUFFER72.2 U7_U_LED_BUFFER72.13
L_OUT6_U_LED_BUFFER73: R27_U_LED_BUFFER73.2 U7_U_LED_BUFFER73.13
L_OUT6_U_LED_BUFFER74: R27_U_LED_BUFFER74.2 U7_U_LED_BUFFER74.13
L_OUT6_U_LED_BUFFER81: R27_U_LED_BUFFER81.2 U7_U_LED_BUFFER81.13
L_OUT6_U_LED_BUFFER82: R27_U_LED_BUFFER82.2 U7_U_LED_BUFFER82.13
L_OUT6_U_LED_BUFFER83: R27_U_LED_BUFFER83.2 U7_U_LED_BUFFER83.13
L_OUT6_U_LED_BUFFER84: R27_U_LED_BUFFER84.2 U7_U_LED_BUFFER84.13
L_OUT6_U_LED_BUFFER91: R27_U_LED_BUFFER91.2 U7_U_LED_BUFFER91.13
L_OUT6_U_LED_BUFFER92: R27_U_LED_BUFFER92.2 U7_U_LED_BUFFER92.13
L_OUT6_U_LED_BUFFER93: R27_U_LED_BUFFER93.2 U7_U_LED_BUFFER93.13
L_OUT6_U_LED_BUFFER94: R27_U_LED_BUFFER94.2 U7_U_LED_BUFFER94.13
L_OUT6_U_LED_BUFFER101: R27_U_LED_BUFFER101.2 U7_U_LED_BUFFER101.13
L_OUT6_U_LED_BUFFER102: R27_U_LED_BUFFER102.2 U7_U_LED_BUFFER102.13
L_OUT6_U_LED_BUFFER103: R27_U_LED_BUFFER103.2 U7_U_LED_BUFFER103.13
L_OUT6_U_LED_BUFFER104: R27_U_LED_BUFFER104.2 U7_U_LED_BUFFER104.13
L_OUT7_U_LED_BUFFER11: R45_U_LED_BUFFER11.2 U7_U_LED_BUFFER11.12
L_OUT7_U_LED_BUFFER12: R45_U_LED_BUFFER12.2 U7_U_LED_BUFFER12.12
L_OUT7_U_LED_BUFFER13: R45_U_LED_BUFFER13.2 U7_U_LED_BUFFER13.12
L_OUT7_U_LED_BUFFER14: R45_U_LED_BUFFER14.2 U7_U_LED_BUFFER14.12
L_OUT7_U_LED_BUFFER21: R45_U_LED_BUFFER21.2 U7_U_LED_BUFFER21.12
L_OUT7_U_LED_BUFFER22: R45_U_LED_BUFFER22.2 U7_U_LED_BUFFER22.12
L_OUT7_U_LED_BUFFER23: R45_U_LED_BUFFER23.2 U7_U_LED_BUFFER23.12
L_OUT7_U_LED_BUFFER24: R45_U_LED_BUFFER24.2 U7_U_LED_BUFFER24.12
L_OUT7_U_LED_BUFFER31: R45_U_LED_BUFFER31.2 U7_U_LED_BUFFER31.12
L_OUT7_U_LED_BUFFER32: R45_U_LED_BUFFER32.2 U7_U_LED_BUFFER32.12
L_OUT7_U_LED_BUFFER33: R45_U_LED_BUFFER33.2 U7_U_LED_BUFFER33.12
L_OUT7_U_LED_BUFFER34: R45_U_LED_BUFFER34.2 U7_U_LED_BUFFER34.12
L_OUT7_U_LED_BUFFER41: R45_U_LED_BUFFER41.2 U7_U_LED_BUFFER41.12
L_OUT7_U_LED_BUFFER42: R45_U_LED_BUFFER42.2 U7_U_LED_BUFFER42.12
L_OUT7_U_LED_BUFFER43: R45_U_LED_BUFFER43.2 U7_U_LED_BUFFER43.12
L_OUT7_U_LED_BUFFER44: R45_U_LED_BUFFER44.2 U7_U_LED_BUFFER44.12
L_OUT7_U_LED_BUFFER51: R45_U_LED_BUFFER51.2 U7_U_LED_BUFFER51.12
L_OUT7_U_LED_BUFFER52: R45_U_LED_BUFFER52.2 U7_U_LED_BUFFER52.12
L_OUT7_U_LED_BUFFER53: R45_U_LED_BUFFER53.2 U7_U_LED_BUFFER53.12
L_OUT7_U_LED_BUFFER54: R45_U_LED_BUFFER54.2 U7_U_LED_BUFFER54.12
L_OUT7_U_LED_BUFFER61: R45_U_LED_BUFFER61.2 U7_U_LED_BUFFER61.12
L_OUT7_U_LED_BUFFER62: R45_U_LED_BUFFER62.2 U7_U_LED_BUFFER62.12
L_OUT7_U_LED_BUFFER63: R45_U_LED_BUFFER63.2 U7_U_LED_BUFFER63.12
L_OUT7_U_LED_BUFFER64: R45_U_LED_BUFFER64.2 U7_U_LED_BUFFER64.12
L_OUT7_U_LED_BUFFER71: R45_U_LED_BUFFER71.2 U7_U_LED_BUFFER71.12
L_OUT7_U_LED_BUFFER72: R45_U_LED_BUFFER72.2 U7_U_LED_BUFFER72.12
L_OUT7_U_LED_BUFFER73: R45_U_LED_BUFFER73.2 U7_U_LED_BUFFER73.12
L_OUT7_U_LED_BUFFER74: R45_U_LED_BUFFER74.2 U7_U_LED_BUFFER74.12
L_OUT7_U_LED_BUFFER81: R45_U_LED_BUFFER81.2 U7_U_LED_BUFFER81.12
L_OUT7_U_LED_BUFFER82: R45_U_LED_BUFFER82.2 U7_U_LED_BUFFER82.12
L_OUT7_U_LED_BUFFER83: R45_U_LED_BUFFER83.2 U7_U_LED_BUFFER83.12
L_OUT7_U_LED_BUFFER84: R45_U_LED_BUFFER84.2 U7_U_LED_BUFFER84.12
L_OUT7_U_LED_BUFFER91: R45_U_LED_BUFFER91.2 U7_U_LED_BUFFER91.12
L_OUT7_U_LED_BUFFER92: R45_U_LED_BUFFER92.2 U7_U_LED_BUFFER92.12
L_OUT7_U_LED_BUFFER93: R45_U_LED_BUFFER93.2 U7_U_LED_BUFFER93.12
L_OUT7_U_LED_BUFFER94: R45_U_LED_BUFFER94.2 U7_U_LED_BUFFER94.12
L_OUT7_U_LED_BUFFER101: R45_U_LED_BUFFER101.2 U7_U_LED_BUFFER101.12
L_OUT7_U_LED_BUFFER102: R45_U_LED_BUFFER102.2 U7_U_LED_BUFFER102.12
L_OUT7_U_LED_BUFFER103: R45_U_LED_BUFFER103.2 U7_U_LED_BUFFER103.12
L_OUT7_U_LED_BUFFER104: R45_U_LED_BUFFER104.2 U7_U_LED_BUFFER104.12
L_OUT8_U_LED_BUFFER11: R46_U_LED_BUFFER11.2 U7_U_LED_BUFFER11.11
L_OUT8_U_LED_BUFFER12: R46_U_LED_BUFFER12.2 U7_U_LED_BUFFER12.11
L_OUT8_U_LED_BUFFER13: R46_U_LED_BUFFER13.2 U7_U_LED_BUFFER13.11
L_OUT8_U_LED_BUFFER14: R46_U_LED_BUFFER14.2 U7_U_LED_BUFFER14.11
L_OUT8_U_LED_BUFFER21: R46_U_LED_BUFFER21.2 U7_U_LED_BUFFER21.11
L_OUT8_U_LED_BUFFER22: R46_U_LED_BUFFER22.2 U7_U_LED_BUFFER22.11
L_OUT8_U_LED_BUFFER23: R46_U_LED_BUFFER23.2 U7_U_LED_BUFFER23.11
L_OUT8_U_LED_BUFFER24: R46_U_LED_BUFFER24.2 U7_U_LED_BUFFER24.11
L_OUT8_U_LED_BUFFER31: R46_U_LED_BUFFER31.2 U7_U_LED_BUFFER31.11
L_OUT8_U_LED_BUFFER32: R46_U_LED_BUFFER32.2 U7_U_LED_BUFFER32.11
L_OUT8_U_LED_BUFFER33: R46_U_LED_BUFFER33.2 U7_U_LED_BUFFER33.11
L_OUT8_U_LED_BUFFER34: R46_U_LED_BUFFER34.2 U7_U_LED_BUFFER34.11